# Altium PCB NewBee.PcbDoc (continued)
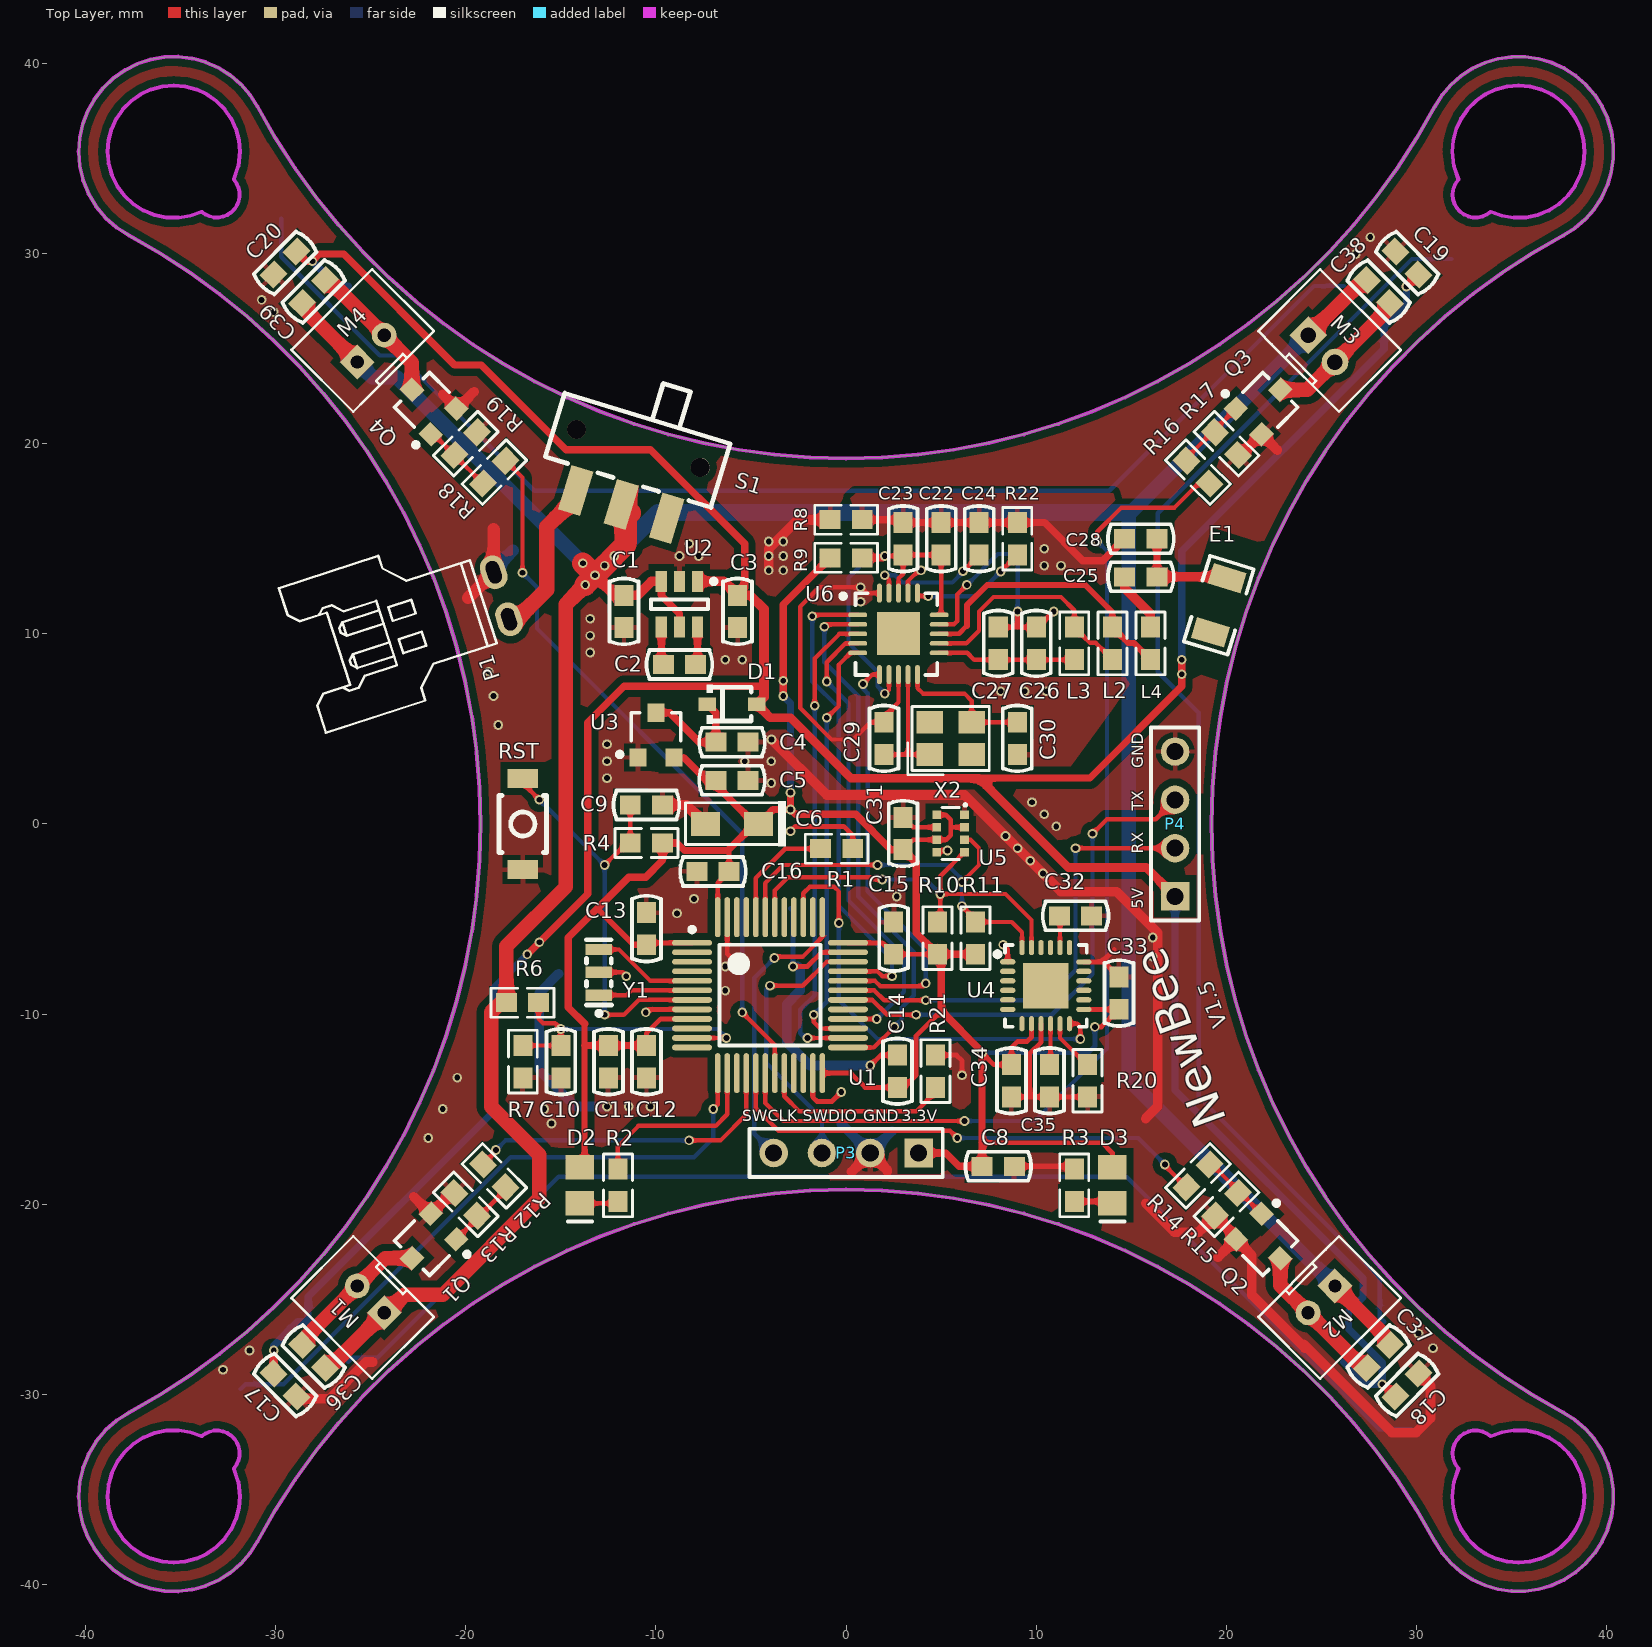
[diagram p0: Top Layer view]
## Footprints (in the part's own frame and the unit in brackets; to place one, negate y for a bottom-side part, rotate by r counter-clockwise, add the part's x,y. Pads: shape width x height; smd on the part's side, far side on the other; paste and mask are expansions set on the pad) (continued)
  silkscreen extent -89,-75 80,66, body extent -63,-49 63,49, height 39

## Part data
C1 C2 C3 C4 C5 C8 C9 C10 C11 C12 C13 C14 C15 C16 C17 C18 C19 C20 C22 C23 C24 C25 C26 C27 C28 C29 C30 C31 C32 C33 C34 C35 C36 C37 C38 C39: library part Cap-S, "贴片瓷片电容"
C6: library part Cap-Pol-A, "钽电容"
D1: library part Diode-Schottky, "肖特基二极管"
D2 D3: "发光二极管"
D4 D5 D6 D7: "WS2812B 4脚RGB全彩LED"
E1: "2.4G Antenna"
L2 L3 L4: "电感"
M1 M2 M3 M4: library part "Header 2", "接插件"
P1 P3 P4: "接插件"
Q1 Q2 Q3 Q4: "N沟道贴片"
R1 R2 R3 R4 R6 R7 R8 R9 R10 R11 R12 R13 R14 R15 R16 R17 R18 R19 R20 R21 R22: library part Res1, "贴片电阻"
RST: "微动开关"
S1: library part SW-SPDT, "开关"
U1: "STM32F103, 48引脚, 64Kb Flash, 20Kb SRAM"
U2: library part PW5410A/B, "5V/3.3V升压芯片"
U3: library part XC6206, "稳压芯片"
U5: library part FBM320, "气压计"
U6: library part nRF24L01
X2: library part XTAL-4PIN
Y1: library part XTAL-3PIN, "贴片晶振"

## Via types
v1: diameter 0.508, hole 0.305, Top Layer to Bottom Layer, tented both sides, 139 vias

## Nets (pads, with @x,y where several pads share a name; then routed paths per layer and width w, separated by ;. In a path a pad name is that pad's centre, name@x,y a point inside that pad or via, vN(x,y) a via of type N, cw(c..) or ccw(c..) an arc to the next point about the centre after c; other vN are vias at no path point)
3.3V: C5.1 C6.1 C8.1 C11.2 C12.2 C13.2 C14.1 C15.2 C16.2 C31.2 C33.2 C34.2 D2.1 D3.1 P3.1 R4.2 R9.2 R10.1 R11.1 U1.1 U1.9 U1.24 U1.36 U1.48 U3.2 U4.8 U4.13 U5.2 U5.6 U5.8 | length 138.8
  Top Layer w0.254: C12.2 -10.5,-11.008 -9.742,-10.25 U1.9 ; C13.2 -10.4,-6.25 U1.1 ; U1.48 -6.75,-3.1 C16.2 -6.15,-1.47 -6.223,-1.397 ; U1.24 0.25,-13.1 1,-13.85 ; U1.36 1.9,-6.25 C15.2 R10.1@4.564,-6.85 ; 1.004,-13.85 3.041,-13.85 3.683,-13.208 3.683,-11.143 5,-9.826 ; C31.2 3.525,-0.825 U5.6 5.271,-0.825 5.5,-0.596 5.5,0.215 5.24,0.475 U5.8 ; 5.515,-0.175 U5.2 ; 7.15,-16.764 13.462,-16.764 14,-17.302 D3.1 ; v1(7.15,-12.027) 7.773,-12.65 ; 7.824,-12.65 C34.2 8.7,-11.747 9.017,-11.43 9.525,-11.43 9.75,-11.205 U4.8 ; U4.13 C33.2@14.341,-9.75 ; v1(13.081,-10.668) 13.423,-10.668 C33.2@14.341,-9.75 ; C33.2 C33.2@14.341,-9.75
  Top Layer w0.305: D2.1 -13.75,-17.8 -13.75,-10.507 ; -13.081,-4.445 -11.176,-6.35 C13.2
  Top Layer w0.381: -13.75,-11.65 C11.2 C12.2 ; -13.75,-10.507 -14.605,-9.652 -14.605,-5.969 -11.43,-2.794 -10.541,-2.794 -9.65,-1.903 R4.2 -8.89,-1 -8.493,-1.397 -6.223,-1.397 C6.1@-4.826,0 ; -8.544,3.499 -7.045,2 C5.1@-6.8,2 ; C5.1 -6.85,2.05 C5.1@-6.8,2 ; v1(-3.302,6.731) v1(-3.302,7.536) -3.302,11.548 R9.2 ; v1(-2.921,1.651) v1(-2.921,0.762) ; C31.2 2.366,-1.35 0.508,0.508 -2.667,0.508 v1(-2.921,0.762) ; C31.2 3.683,-2.032 3.683,-5.733 5,-7.05 5,-9.826 7.15,-11.976 v1(7.15,-12.027) 7.15,-16.764 C8.1 5.935,-18 5.235,-17.3 P3.1 ; R10.1@4.826,-6.85 R11.1 ; C5.1@-6.8,2 -4.8,0 C6.1 -3.841,0.762 v1(-2.921,0.762)
  Bottom Layer w0.254: v1(7.15,-12.027) 12.738,-12.027 13.081,-11.684 v1(13.081,-10.668)
  Bottom Layer w0.381: v1(-3.302,7.536) v1(-3.302,6.731) -2.921,6.35 v1(-2.921,1.651) v1(-2.921,0.762)
5V: C3.2 C17.1 C18.1 C19.1 C20.1 D1.1 D4.1 D5.1 D6.1 D7.1 P4.1 U2.1 | length 197.9
  Top Layer w0.381: C17.1 v1(-30.101,-27.686) ; C20.1 -28.389,29.591 v1(-28.067,29.591) -27.686,29.972 -26.416,29.972 -20.574,24.13 -19.177,24.13 -14.732,19.685 -10.287,19.685 -5.334,14.732 -5.334,12.407 C3.2 ; v1(-16.764,-6.858) v1(-16.129,-6.223) -13.589,-3.683 -13.589,5.334 -11.684,7.239 -4.361,7.239 ; 6.985,2.413 12.827,2.413 17.653,7.239 v1(17.653,7.874) v1(17.653,8.636) ; v1(28.194,-29.464) 28.262,-29.464 C18.1 ; v1@29.396,28.262 v1(29.464,28.262) C19.1
  Top Layer w0.457: D1.1 -3.988,5.588 -2.921,5.588 0.254,2.413 6.985,2.413 11.684,-2.286 15.776,-2.286 P4.1
  Top Layer w0.508: U2.1 -6.446,12.757 C3.2 -5.041,12.026 -4.318,11.303 -4.318,6.682 D1.1
  Bottom Layer w0.381: v1(-30.101,-27.686) -30.101,-27.434 -28.839,-26.172 D4.1 -28.293,-24.864 -18.542,-15.113 -18.542,-8.636 v1(-16.129,-6.223) ; v1(-28.067,29.591) -26.769,28.293 D7.1 ; P4.1 17.3,-13.998 27.178,-23.876 27.178,-24.892 26.416,-25.654 26.416,-26.543 28.194,-28.321 v1(28.194,-29.464) 27.343,-29.464 D5.1 ; v1(17.653,7.874) 17.653,14.351 28.293,24.991 D6.1 29.464,27.343 v1(29.464,28.262)
BOOT0: R1.1 U1.44 | length 6.1
  Top Layer w0.229: U1.44 -4.75,-2.845 -3.205,-1.3 R1.1
GND: C1.1 C3.1 C4.2 C5.2 C6.2 C8.2 C9.2 C10.1 C11.1 C12.1 C13.1 C14.2 C15.1 C16.1 C17.2 C18.2 C19.2 C20.2 C31.1 C32.1 C33.1 C34.1 C35.2 D4.3 D5.3 D6.3 D7.3 P1.2 P3.2 P4.4 Q1.2 Q2.2 Q3.2 Q4.2 R1.2 R3.1 R7.2 R8.2 R13.1 R15.1 R17.1 R19.1 R20.1 R21.2 RST.2 U1.8 U1.23 U1.35 U1.47 U2.2 U3.1 U4.1 U4.9 U4.18 U5.1 U5.5 U5.7 Y1.2 | length 156.8
  Top Layer w0.254: Y1.2 -11.758,-7.8 v1(-11.557,-8.001) ; v1(-10.541,-9.906) -10.385,-9.75 U1.8 ; U1.47 -6.25,-6.831 -5.842,-7.239 ; v1(-2.921,-0.381) -2.667,-0.127 -0.127,-0.127 0.35,-0.604 R1.2 ; v1(-2.794,-7.493) -2.032,-7.493 -1.289,-6.75 U1.35 ; U1.23 -1.75,-14.366 -1.524,-14.592 -0.749,-14.592 v1(-0.254,-14.097) ; v1(1.27,-12.7) 1.82,-12.15 C14.2 ; C31.1 3.525,-0.175 U5.7 ; R21.2 5.8,-12.15 6.096,-12.446 v1(6.096,-13.208) ; U5.5 4.853,-1.397 v1(5.334,-1.397) ; v1(8.255,-6.35) 8.5,-6.595 U4.1 ; C34.1 9.652,-14.35 ; U4.9 10.25,-11.467 9.652,-12.065 9.652,-14.35 ; U4.18 13.443,-7.258 ; R20.1 C35.2 9.652,-14.35 ; 14.097,-6.604 13.443,-7.258 ; C33.1 13.569,-7.258 13.443,-7.258
  Top Layer w0.305: C8.2 11.85,-18 R3.1
  Top Layer w0.508: C17.2 -28.774,-30.226 -27.178,-30.226 -25.245,-28.293 -24.892,-28.293 ; -22.733,-19.605 Q1.2 -20.742,-19.399 R13.1 ; -21.209,22.606 -20.497,21.894 -20.397,21.894 -19.558,22.733 ; C9.2 -8.397,1 C6.2 ; v1(-4.064,13.335) v1(-4.064,14.097) -4.064,14.478 -2.542,16 R8.2 ; v1(-3.921,4.445) -3.937,4.445 -1.016,1.524 6.223,1.524 v1(9.017,-1.27) v1(10.351,-2.603) 11.303,-3.556 14.224,-3.556 16.383,-5.715 16.383,-14.859 15.748,-15.494 ; 0.282,-18.288 P3.2 2.159,-18.189 2.159,-18.288 ; 15.748,-19.939 17.272,-21.463 18.537,-21.463 R15.1 20.497,-21.699 Q2.2 ; 19.558,-22.78 Q2.2 ; R17.1@20.743,19.399 Q3.2 22.667,19.671 ; 24.066,-27.368 24.257,-27.559 ; C18.2 30.734,-29.532 30.734,-31.242 29.972,-32.004 28.702,-32.004 24.257,-27.559 ; Q2.2 21.336,-22.68 21.336,-24.765 24.13,-27.559 24.257,-27.559
  Top Layer w0.635: -19.883,11.882 P1.2 -18.529,15.494 -18.542,15.507
  Bottom Layer w0.254: -2.921,-4.445 -2.794,-4.572 v1(-2.794,-7.493)
  Bottom Layer w0.381: v1(-2.794,-7.493) -2.54,-7.493
  Bottom Layer w0.508: -15.113,-7.874 -16.129,-8.89 -16.129,-12.954 -14.224,-14.859 v1(-12.573,-14.859) ; -2.54,-7.493 -2.413,-7.62 -2.413,-8.763 -3.13,-9.48 -3.13,-11.475 -1.905,-12.7 v1(1.27,-12.7) ; -0.254,-15.776 P3.2 2.413,-16.157
  Bottom Layer w0.635: -19.574,12.192 P1.2 -18.529,13.378 -17.523,14.385
  other v1: -32.766,-28.702 -31.369,-27.686 30.861,-27.559 30.099,-26.797 -21.971,-16.51 -15.494,-15.748 -21.209,-14.986 -15.875,-14.986 -11.43,-14.859 -10.287,-14.859 -20.447,-13.335 -6.35,-8.763 -6.35,-7.493 16.129,-6.985 16.129,-5.969 -8.89,-4.699 -8.001,-3.937 2.667,-3.81 9.684,-1.937 8.382,-0.635 11.049,-0.127 10.414,0.508 9.779,1.143 -3.937,2.159 -12.573,2.413 -12.573,3.302 -5.334,3.302 -3.937,3.302 -12.573,4.191 -18.288,5.207 -18.542,6.731 -18.796,8.001 -6.35,8.636 -5.461,8.636 -13.462,9.017 -13.462,9.906 -13.462,10.795 -3.302,13.335 -8.763,14.097 -7.747,14.097 -3.302,14.097 -8.255,14.732 -4.064,14.859 -3.302,14.859 -30.099,26.924 -30.734,27.559 26.797,29.972 27.559,30.861
INT: U1.39 U4.12 | length 23.9
  Top Layer w0.229: U1.39 -2.25,-3.647 -1.905,-3.302 -0.635,-3.302 -0.381,-3.556 v1(-0.381,-5.207) ; U4.12 12.151,-10.5 12.319,-10.668 v1(12.319,-11.303)
  Bottom Layer w0.229: v1(-0.381,-5.207) -0.381,-9.271 1.651,-11.303 v1(12.319,-11.303)
LED: R2.1 U1.14 | length 9.8
  Top Layer w0.229: R2.1 -12,-16.953 -10.922,-15.875 -6.858,-15.875 -6.25,-15.267 U1.14
MISO: U1.27 U6.5 | length 22.5
  Top Layer w0.229: v1(-1.702,-10.033) -1.702,-10.414 -1.366,-10.75 U1.27 ; v1(-1.016,5.588) -0.381,6.223 -0.381,8.382 0.237,9 U6.5
  Bottom Layer w0.229: v1(-1.702,-10.033) -1.016,-9.347 v1(-1.016,5.588)
MOSI: U1.28 U6.4 | length 24.6
  Top Layer w0.229: v1(-1.016,7.493) -1.016,8.509 -0.025,9.5 U6.4 ; U1.28 v1(1.614,-10.25)
  Bottom Layer w0.229: v1(-1.016,7.493) 0.127,6.35 0.127,-4.025 3.048,-6.946 3.048,-8.816 v1(1.614,-10.25)
NetC2_1: C2.1 U2.6 | length 2
  Top Layer w0.381: C2.1 -7.813,8.482 U2.6
NetC2_2: C2.2 U2.4 | length 2
  Top Layer w0.381: U2.4 -9.713,8.482 C2.2
NetC4_1: C4.1 D1.2 U3.3 | length 6
  Top Layer w0.381: U3.3 -9.278,5.849 -7.729,4.3 C4.1 -6.85,5.849 D1.2
NetC24_1: C24.1 U6.19 | length 6.8
  Top Layer w0.229: v1(2.032,13.081) 2.254,12.859 U6.19 ; v1(6.147,13.297) C24.1
  Bottom Layer w0.229: v1(2.032,13.081) 2.587,13.081 2.968,12.7 5.588,12.7 6.147,13.259 v1(6.147,13.297)
NetC25_1: C25.1 C28.2 E1.1 | length 5.7
  Top Layer w0.381: C25.1 C28.2
  Top Layer w0.508: C25.1 19.961,13 E1.1
NetC25_2: C25.2 L4.2 | length 3.2
  Top Layer w0.508: C25.2 14.65,12.401 16,11.051 L4.2
NetC26_1: C26.1 C27.1 L3.1 U6.11 | length 7.3
  Top Layer w0.229: U6.11 6.367,9 6.731,8.636 11.986,8.636 L3.1
NetC29_2: C29.2 U6.9 X2.1 | length 6.6
  Top Layer w0.229: C29.2 X2.1 X2.1 ; 3.254,3.65 U6.9
NetC30_2: C30.2 U6.10 X2.3 | length 7.4
  Top Layer w0.229: U6.10 3.754,7.144 4.04,6.858 6.223,6.858 6.6,6.481 X2.3 8.999,5.351 C30.2
NetC32_2: C32.2 U4.20 | length 1.7
  Top Layer w0.229: C32.2 11.25,-4.861 U4.20
NetC35_1: C35.1 U4.10 | length 2.2
  Top Layer w0.229: C35.1 10.75,-12.6 U4.10
NetC36_2: C36.2 M1.2 Q1.3 | length 7.8
  Top Layer w0.762: C36.2 -28.601,-27.187 M1.2 -24.245,-22.831 Q1.3
NetC37_2: C37.2 M2.2 Q2.3 | length 7.8
  Top Layer w0.762: Q2.3 22.831,-24.245 M2.2 27.187,-28.601 C37.2
NetC38_2: C38.2 M3.2 Q3.3 | length 7.8
  Top Layer w0.762: Q3.3 24.245,22.831 M3.2 28.601,27.187 C38.2
NetC39_2: C39.2 M4.2 Q4.3 | length 7.6
  Top Layer w0.762: C39.2@-27.187,28.601 M4.2 -22.831,24.245 Q4.3
NetD2_2: D2.2 R2.2 | length 2
  Top Layer w0.229: D2.2 -12.1,-19.95 R2.2
NetD3_2: D3.2 R3.2 | length 2
  Top Layer w0.305: R3.2 13.9,-19.85 D3.2
NetD4_2: D4.2 D5.4 | length 65.4
  Bottom Layer w0.229: D4.2 -25.946,-28.067 -24.638,-28.067 -15.113,-18.542 14.732,-18.542 28.018,-31.828 D5.4
NetD5_2: D5.2 D6.4 | length 68.4
  Bottom Layer w0.229: D5.2 28.067,-25.946 28.067,-23.876 18.542,-14.351 18.542,5.842 16.383,8.001 16.383,16.336 29.755,29.707 D6.4
NetD6_2: D6.2 D7.4 | length 67.4
  Bottom Layer w0.229: D7.4 -29.707,29.825 -24.52,24.638 -23.507,24.638 -16.395,17.526 13.843,17.526 24.61,28.293 D6.2
NetL2_1: L2.1 L4.1 U6.13 | length 14.9
  Top Layer w0.229: U6.13 5.936,10
  Top Layer w0.254: 5.936,10 6.35,10.414
  Top Layer w0.305: 6.35,10.414 6.35,11.5 7.423,12.573 12.577,12.573 12.577,12.569 14,11.146 L2.1 14.825,9.525 15.125,9.525 L4.1
NetL2_2: L2.2 L3.2 U6.12 | length 12.6
  Top Layer w0.229: U6.12 6.325,9.5 6.985,10.16 6.985,11.176 7.747,11.938 11.303,11.938 12,11.241 L3.2 12.825,9.525 13.125,9.525 L2.2
NetP1_1: P1.1 S1.1 | length 8.5
  Top Layer w0.813: P1.1 -17.303,10.764 -15.748,12.319 -15.748,15.621 -14.213,17.156 S1.1
NetQ1_1: Q1.1 R12.2 R13.2 | length 3.8
  Top Layer w0.254: Q1.1 -17.899,-19.243 R12.2
NetQ2_1: Q2.1 R14.2 R15.2 | length 3.8
  Top Layer w0.229: R14.2 19.242,-17.899 Q2.1
NetQ3_1: Q3.1 R16.2 R17.2 | length 3.8
  Top Layer w0.229: R16.2 17.899,19.242 Q3.1
NetQ4_1: Q4.1 R18.2 R19.2 | length 3.8
  Top Layer w0.229: Q4.1 -21.699,20.497 R19.2 R18.2
NetR20_2: R20.2 U4.11 | length 2.8
  Top Layer w0.229: U4.11 11.25,-11.25 12.65,-12.65 R20.2
NetR21_1: R21.1 U1.20 | length 10.1
  Top Layer w0.229: U1.20 -3.25,-14.321 -2.458,-15.113 3.683,-15.113 4.5,-14.296 R21.1@4.5,-13.85
NetR22_2: R22.2 U6.16 | length 6.2
  Top Layer w0.229: U6.16 3.913,11.984 v1(4.318,11.984) ; v1(8.128,13.278) R22.2
  Bottom Layer w0.229: v1(4.318,11.984) 6.834,11.984 v1(8.128,13.278)
NetU1_5: U1.5 Y1.3 | length 5.6
  Top Layer w0.229: Y1.3 -11.941,-6.601 -10.292,-8.25 U1.5
NetU1_6: U1.6 Y1.1 | length 5
  Top Layer w0.229: Y1.1 -11.552,-8.999 -11.303,-8.75 U1.6
PWM1: R12.1 U1.16 | length 17.2
  Top Layer w0.229: R12.1 -18.415,-17.213 v1(-18.415,-17.145) ; v1(-8.255,-16.637) -6.604,-16.637 -5.25,-15.283 U1.16
  Bottom Layer w0.229: v1(-18.415,-17.145) -17.907,-16.637 v1(-8.255,-16.637)
PWM2: R14.1 U1.17 | length 26.2
  Top Layer w0.229: U1.17 -4.75,-14.935 -3.556,-16.129 5.461,-16.129 v1(5.842,-16.51) ; v1(16.764,-17.907) 16.764,-17.966 R14.1
  Bottom Layer w0.229: v1(5.842,-16.51) 15.367,-16.51 v1(16.764,-17.907)
PWM3: R16.1 U1.18 | length 55.8
  Top Layer w0.229: U1.18 -4.25,-14.673 -3.302,-15.621 v1(6.223,-15.621) ; v1(13.208,14.859) 13.208,15.367 14.478,16.637 17.272,16.637 18.534,17.899 R16.1
  Bottom Layer w0.229: v1(6.223,-15.621) 9.906,-15.621 13.716,-11.811 13.716,14.351 v1(13.208,14.859)
PWM4: R18.1 U1.19 | length 38.1
  Top Layer w0.229: R18.1 -17.018,18.22 v1(-17.018,13.208) ; v1(-5.461,-9.906) -3.75,-11.617 U1.19
  Bottom Layer w0.229: v1(-17.018,13.208) -16.256,12.446 -16.256,10.287 -5.461,-0.508 v1(-5.461,-9.906)
RESET: C9.1 R4.1 RST.1 U1.7 | length 22.9
  Top Layer w0.229: RST.1 -17,2.141 v1(-16.129,1.27) ; v1(-12.7,-10.033) -11.684,-10.033 -10.901,-9.25 U1.7 ; v1(-12.7,-2.159) -11.35,-0.809 C9.1
  Bottom Layer w0.229: v1(-16.129,1.27) v1(-12.7,-2.159) v1(-12.7,-10.033)
RF_3.3V: C22.2 C23.2 R9.1 U6.7 U6.15 U6.18 | length 20
  Top Layer w0.229: v1(2.032,14.097) 2.947,14.097 C23.2 3,13.16 2.754,12.914 U6.18 ; v1@2.064,6.858 2.254,7.048 U6.7 ; U6.15 5,11.103 C22.2
  Top Layer w0.254: C23.2@3.122,14.15 C22.2
  Top Layer w0.305: C23.2@2.702,14.15 C23.2
  Top Layer w0.381: R9.1 1.935,14 v1(2.032,14.097)
  Bottom Layer w0.229: v1(2.032,6.858) 1.651,7.239 1.651,8.001 0.127,9.525 0.127,12.954 1.27,14.097 v1(2.032,14.097)
RF_CE: U1.33 U6.1 | length 25.5
  Top Layer w0.229: v1(-1.778,10.922) -1.7,11 U6.1 ; U1.33 1.654,-7.75 1.907,-8.003 v1(2.411,-8.003)
  Bottom Layer w0.229: v1(-1.778,10.922) -1.778,7.496 -0.381,6.099 -0.381,-4.318 2.411,-7.11 v1(2.411,-8.003)
RF_CSN: U1.25 U6.2 | length 28.1
  Top Layer w0.229: v1(-1.143,10.373) -1.016,10.5 U6.2 ; U1.25 1.458,-11.75 v1(2.54,-10.668)
  Bottom Layer w0.229: v1(-1.143,10.373) -1.143,8.509 0.635,6.731 0.635,-3.81 3.556,-6.731 3.556,-9.017 2.921,-9.652 2.921,-10.287 v1(2.54,-10.668)
RF_GND: C22.1 C23.1 C24.2 C26.2 C27.2 C28.1 C29.1 C30.1 R8.1 R22.1 U6.8 U6.14 U6.17 U6.20 | length 47.8
  Top Layer w0.229: U6.20 1.065,12.143 v1(0.762,12.446) -1.397,12.446 -2.413,11.43 -2.413,6.096 -0.762,4.445 0.381,4.445 1.286,5.35 C29.1 ; C29.1@2.159,5.803 2.754,6.398 U6.8 ; U6.17 3.254,12.779 3.81,13.335 v1(3.937,13.335) ; U6.14 5.674,10.5 5.842,10.668 5.842,12.065 v1(6.35,12.573)
  Top Layer w0.254: C27.2 9.017,10.35 ; v1(9.017,11.176) 9.017,10.35 ; C26.2 9.017,10.35 ; C26.2@10.096,10.35 v1(10.922,11.176)
  Top Layer w0.381: R8.1 2.85,16 C23.1 C22.1 C24.2 R22.1 10.439,15.85 12.446,13.843 13.493,13.843 C28.1
  Bottom Layer w0.229: v1(6.35,12.573) 7.977,14.2 8.66,14.2 9.017,13.843 v1(9.017,11.176)
  other v1: 8.128,6.985 9.398,6.985 10.541,6.985 0.762,11.684 10.414,13.589 11.303,13.589 10.414,14.478
RF_IRQ: U1.32 U6.6 | length 22.4
  Top Layer w0.229: U1.32 1.519,-8.25 1.792,-8.523 4.05,-8.523 v1(4.191,-8.382) ; v1(0.889,7.366) 1.38,7.857 U6.6
  Bottom Layer w0.229: v1(0.889,7.366) 0.889,7.112 1.13,6.871 1.13,-3.543 4.191,-6.604 v1(4.191,-8.382)
RGB: D4.4 U1.13 | length 33.8
  Top Layer w0.229: v1(-6.985,-14.986) -6.75,-14.751 U1.13
  Bottom Layer w0.229: D4.4 -31.585,-29.464 -29.582,-29.464 -17.644,-17.526 -8.001,-17.526 -6.985,-16.51 v1(-6.985,-14.986)
RX1: P4.2 U1.31 | length 24.5
  Top Layer w0.229: U1.31 1.48,-8.75 2.001,-9.271 v1(4.191,-9.271) ; v1(12.065,-1.27) P4.2
  Bottom Layer w0.229: v1(4.191,-9.271) 10.487,-9.271 12.065,-7.693 v1(12.065,-1.27)
SCK: U1.26 U6.3 | length 25.4
  Top Layer w0.229: v1(-2.032,-11.25) U1.26 ; v1(-1.651,6.223) -1.651,8.7 -0.353,9.998 -0.353,10 U6.3
  Bottom Layer w0.229: v1(-2.032,-11.25) -2.159,-11.25 -2.407,-11.002 -2.407,-9.773 -1.651,-9.017 v1(-1.651,6.223)
SCL: R10.2 U1.42 U4.23 U5.4 | length 21.8
  Top Layer w0.229: U1.42 -3.75,-3.496 -3.048,-2.794 1.27,-2.794 1.397,-2.921 v1(1.905,-2.921) ; R10.2 4.8,-5.119 4.953,-4.966 v1(4.953,-3.683) ; U5.4 4.953,-2.747 v1(4.953,-3.683) ; U4.23 9.75,-5.051 8.382,-3.683 v1(4.953,-3.683)
  Bottom Layer w0.229: v1(1.905,-2.921) 4.191,-2.921 v1(4.953,-3.683)
SDA: R11.2 U1.43 U4.24 U5.3 | length 21.9
  Top Layer w0.229: U1.43 -4.25,-3.107 -3.302,-2.159 v1(1.651,-2.159) ; v1(6.096,-4.318) 6.928,-5.15 8.706,-5.15 9.25,-5.694 U4.24 ; v1(6.096,-3.048) 6.985,-2.159 6.985,-1.27 6.54,-0.825 U5.3
  Bottom Layer w0.229: v1(1.651,-2.159) 5.334,-2.159 6.096,-2.921 v1(6.096,-3.048) v1(6.096,-4.318)
SWCLK: P3.4 U1.37 | length 15.1
  Top Layer w0.229: v1(-3.773,-7.043) -3.702,-6.972 -2.273,-6.972 -1.25,-5.949 U1.37
  Bottom Layer w0.229: P3.4 -4.826,-16.284 -4.826,-8.096 v1(-3.773,-7.043)
SWDIO: P3.3 U1.34 | length 14.7
  Top Layer w0.229: v1(-4,-8.5) -2.277,-8.5 -1.027,-7.25 U1.34
  Bottom Layer w0.229: v1(-4,-8.5) -4.191,-8.691 -4.191,-12.573 -1.27,-15.494 P3.3
TX1: P4.3 U1.30 | length 26.5
  Top Layer w0.229: U1.30 1.376,-9.25 2.159,-10.033 v1(3.683,-10.033) ; v1(12.954,-0.508) 13.716,0.254 16.284,0.254 P4.3
  Bottom Layer w0.229: v1(3.683,-10.033) 10.817,-10.033 12.954,-7.896 v1(12.954,-0.508)
VBAT: C1.2 C36.1 C37.1 C38.1 C39.1 M1.1 M2.1 M3.1 M4.1 R6.1 S1.2 U2.3 U2.5 | length 181.2
  Top Layer w0.381: U2.3 -9.713,12.007 -8.763,11.057 U2.5
  Top Layer w0.508: v1(-13.208,13.081) C1.2@-12.153,12.026 ; C1.2@-11.772,11.987 C1.2@-11.684,11.987 ; C1.2 -10.961,12.026 -10.23,12.757 U2.3
  Top Layer w0.762: C39.1@-28.601,27.187 M4.1 ; C36.1 -27.187,-28.601 M1.1 -24.183,-25.707 -23.241,-24.765 -21.209,-24.765 -16.129,-19.685 -16.129,-17.399 -18.669,-14.859 -18.669,-9.906 -18.161,-9.398 R6.1 -17.868,-6.438 -14.732,-3.302 -14.732,11.557 v1(-13.716,12.573) ; M3.1 27.187,28.601 C38.1 ; M2.1 28.601,-27.187 C37.1
  Top Layer w1.143: v1(-13.843,13.716) v1(-13.208,13.081) ; v1(-13.716,12.573) v1(-13.208,13.081) ; S1.2@-11.364,16.36 -11.59,16.133 -11.59,14.699 v1(-12.192,14.097) v1(-12.7,13.589) v1(-13.208,13.081)
  Bottom Layer w0.762: M4.1 -24.909,23.495 -23.622,23.495 v1(-13.843,13.716) v1(-13.208,13.081) ; 14.859,16.383 14.859,-13.445 M2.1 ; 14.969,16.383 M3.1
  Bottom Layer w0.889: v1(-12.192,14.097) -9.906,16.383 14.859,16.383
  Bottom Layer w1.143: v1(-13.716,12.573) v1(-13.208,13.081) v1(-12.7,13.589) v1(-12.192,14.097)
VBAT_T: C10.2 R6.2 R7.1 U1.11 | length 16
  Top Layer w0.229: R7.1 C10.2 v1(-15,-10.781) -15.308,-10.473 -15.943,-10.473 -16.168,-10.248 R6.2 R6.2@-16,-9.566 ; U1.11 v1(-6.297,-11.25)
  Bottom Layer w0.229: v1(-15,-10.781) -6.766,-10.781 v1(-6.297,-11.25)
pads on no net: D7.2 E1.0 S1. S1.3 U1.2 U1.3 U1.4 U1.10 U1.12 U1.15 U1.21 U1.22 U1.29 U1.38 U1.40 U1.41 U1.45 U1.46 U4.2 U4.3 U4.4 U4.5 U4.6 U4.7 U4.14 U4.15 U4.16 U4.17 U4.19 U4.21 U4.22 U4.25 U6.0 X2.2 X2.4

## Polygon pours and split planes (outlines as drawn)
GND on Top Layer "Top Layer-No Net" (solid, remove dead copper, pour order 6): -17.145,-26.416 -14.478,-23.749 7.747,-23.749 12.7,-23.749 30.607,-41.656 32.131,-43.18 42.164,-43.18 43.942,-41.402 43.942,-33.147 43.942,-32.639 37.465,-26.162 24.257,-12.954 22.281,6.633 16.998,8.403 19.223,15.595 24.58,13.912 44.45,33.782 44.958,34.29 44.958,42.418 42.926,44.45 42.037,44.45 32.766,44.45 31.242,42.926 16.256,27.94 16.256,27.559 13.335,24.638 2.54,24.638 -11.938,24.638 -13.589,26.289 -30.734,43.434 -31.496,43.434 -39.624,43.434 -40.132,42.926 -43.307,39.751 -43.307,32.512 -43.307,29.718 -24.765,11.176 -24.765,-11.303 -38.862,-25.4 -43.434,-29.972 -43.434,-39.624 -39.37,-43.688 -39.37,-44.069 -31.115,-44.069 -30.48,-44.704
RF_GND on Top Layer "Top Layer-No Net" (solid, remove dead copper, pour order 4): 0.508,17.399 14.224,17.399 15.958,16.247 15.981,8.883 13.97,5.969 11.8,3.048 0.357,3.048 -1.929,5.334 -1.929,15.24
GND on Bottom Layer "Top Layer-No Net" (solid, remove dead copper, pour order 8): -17.145,-26.416 -14.478,-23.749 7.747,-23.749 12.7,-23.749 30.607,-41.656 32.131,-43.18 42.164,-43.18 43.942,-41.402 43.942,-33.147 43.942,-32.639 37.465,-26.162 24.257,-12.954 22.281,6.633 16.998,8.403 19.223,15.595 24.58,13.912 44.45,33.782 44.958,34.29 44.958,42.418 42.926,44.45 42.037,44.45 32.766,44.45 31.242,42.926 16.256,27.94 16.256,27.559 13.335,24.638 2.54,24.638 -11.938,24.638 -13.589,26.289 -30.734,43.434 -31.496,43.434 -39.624,43.434 -40.132,42.926 -43.307,39.751 -43.307,32.512 -43.307,29.718 -24.765,11.176 -24.765,-11.303 -38.862,-25.4 -43.434,-29.972 -43.434,-39.624 -39.37,-43.688 -39.37,-44.069 -31.115,-44.069 -30.48,-44.704
RF_GND on Bottom Layer "Top Layer-No Net" (solid, remove dead copper, pour order 2): 1.651,17.653 15.981,17.653 15.981,8.883 13.742,5.655 11.8,3.048 0.381,3.048 -1.905,5.334 -1.905,15.24 0.508,17.653

## Keep-outs
Keep-Out Layer:
  lines w0.203: -40.355,-35.355 -40.301,-36.088 -40.14,-36.805 -39.876,-37.491 -39.514,-38.131 -39.062,-38.711 -38.53,-39.218 -37.93,-39.642 -37.274,-39.973 -36.576,-40.204 -35.852,-40.331 -35.118,-40.35 -34.388,-40.261 -33.679,-40.066 -33.007,-39.769 -32.385,-39.377 -31.828,-38.899 -31.346,-38.343 -30.952,-37.723 -30.01,-36.081 -28.982,-34.491 -27.87,-32.959 -26.677,-31.49 -25.407,-30.086 -24.062,-28.754 -22.648,-27.495 -21.169,-26.314 -19.628,-25.215 -18.029,-24.201 -16.379,-23.274 -14.681,-22.437 -12.941,-21.692 -11.162,-21.043 -9.352,-20.49 -7.514,-20.036 -5.655,-19.681 -3.779,-19.427 -1.892,-19.274 0,-19.223 1.892,-19.274 3.779,-19.427 5.655,-19.681 7.514,-20.036 9.352,-20.49 11.162,-21.043 12.941,-21.692 14.681,-22.437 16.379,-23.274 18.029,-24.201 19.628,-25.215 21.169,-26.314 22.648,-27.495 24.063,-28.754 25.407,-30.086 26.677,-31.49 27.87,-32.959 28.982,-34.491 30.011,-36.081 30.952,-37.723 31.335,-38.328 31.801,-38.871 32.339,-39.343 32.939,-39.733 33.589,-40.033 34.275,-40.237 34.984,-40.342 35.7,-40.343 36.408,-40.243 37.096,-40.043 37.747,-39.746 38.35,-39.36 38.891,-38.891 39.36,-38.35 39.746,-37.747 40.043,-37.096 40.243,-36.408 40.344,-35.7 40.342,-34.984 40.237,-34.275 40.033,-33.589 39.733,-32.939 39.343,-32.339 38.871,-31.801 38.328,-31.335 37.723,-30.952 36.081,-30.011 34.491,-28.982 32.959,-27.87 31.49,-26.677 30.086,-25.407 28.754,-24.063 27.495,-22.648 26.314,-21.169 25.215,-19.628 24.201,-18.029 23.274,-16.379 22.437,-14.681 21.692,-12.941 21.043,-11.162 20.49,-9.352 20.036,-7.514 19.681,-5.655 19.427,-3.779 19.274,-1.892 19.223,0 19.274,1.892 19.427,3.779 19.681,5.655 20.036,7.514 20.49,9.352 21.043,11.162 21.692,12.941 22.437,14.681 23.274,16.379 24.201,18.029 25.215,19.628 26.314,21.169 27.495,22.648 28.754,24.062 30.086,25.407 31.49,26.677 32.959,27.87 34.491,28.982 36.081,30.01 37.723,30.952 38.328,31.335 38.871,31.8 39.343,32.339 39.733,32.939 40.033,33.589 40.237,34.276 40.342,34.984 40.344,35.7 40.243,36.408 40.043,37.096 39.746,37.747 39.36,38.35 38.891,38.891 38.35,39.36 37.747,39.746 37.096,40.043 36.408,40.243 35.7,40.343 34.984,40.341 34.275,40.237 33.589,40.033 32.939,39.733 32.339,39.343 31.801,38.871 31.335,38.328 30.952,37.723 30.011,36.081 28.982,34.491 27.87,32.959 26.677,31.49 25.407,30.086 24.063,28.754 22.648,27.495 21.169,26.314 19.628,25.215 18.029,24.201 16.379,23.274 14.681,22.437 12.941,21.692 11.162,21.043 9.352,20.49 7.514,20.036 5.655,19.681 3.779,19.427 1.892,19.274 0,19.223 -1.892,19.274 -3.779,19.427 -5.655,19.681 -7.514,20.036 -9.352,20.49 -11.162,21.043 -12.941,21.692 -14.681,22.437 -16.379,23.274 -18.029,24.201 -19.628,25.215 -21.169,26.314 -22.648,27.495 -24.062,28.754 -25.407,30.086 -26.677,31.49 -27.87,32.959 -28.982,34.491 -30.01,36.081 -30.952,37.723 -31.346,38.343 -31.828,38.899 -32.385,39.377 -33.007,39.769 -33.679,40.066 -34.388,40.261 -35.118,40.35 -35.852,40.331 -36.576,40.204 -37.274,39.973 -37.93,39.642 -38.53,39.218 -39.062,38.711 -39.514,38.131 -39.876,37.491 -40.14,36.805 -40.301,36.088 -40.355,35.355 -40.296,34.589 -40.12,33.84 -39.832,33.128 -39.437,32.468 -38.946,31.876 -38.37,31.367 -37.723,30.952 -36.081,30.01 -34.491,28.982 -32.959,27.87 -31.49,26.677 -30.086,25.407 -28.754,24.062 -27.495,22.648 -26.314,21.169 -25.215,19.628 -24.201,18.029 -23.274,16.379 -22.437,14.681 -21.692,12.941 -21.043,11.162 -20.49,9.352 -20.036,7.514 -19.681,5.655 -19.427,3.779 -19.274,1.892 -19.223,0 -19.274,-1.892 -19.427,-3.779 -19.681,-5.655 -20.036,-7.514 -20.49,-9.352 -21.043,-11.162 -21.692,-12.941 -22.437,-14.681 -23.274,-16.379 -24.201,-18.029 -25.215,-19.628 -26.314,-21.169 -27.495,-22.648 -28.754,-24.063 -30.086,-25.407 -31.49,-26.677 -32.959,-27.87 -34.491,-28.982 -36.081,-30.011 -37.723,-30.952 -38.37,-31.367 -38.946,-31.876 -39.437,-32.468 -39.832,-33.128 -40.12,-33.84 -40.296,-34.589 -40.355,-35.355 ; -38.835,-35.355 -38.782,-35.96 -38.625,-36.546 -38.369,-37.095 -38.021,-37.592 -37.592,-38.021 -37.095,-38.369 -36.546,-38.625 -35.96,-38.782 -35.355,-38.835 -34.751,-38.782 -34.165,-38.625 -33.615,-38.369 -33.118,-38.021 -32.689,-37.592 -32.342,-37.095 -32.085,-36.546 -31.928,-35.96 -31.875,-35.355 -31.957,-34.606 -32.198,-33.892 -32.056,-33.697 -31.956,-33.476 -31.902,-33.24 -31.896,-32.998 -31.939,-32.76 -32.03,-32.536 -32.163,-32.334 -32.334,-32.163 -32.536,-32.03 -32.76,-31.939 -32.998,-31.896 -33.24,-31.902 -33.476,-31.956 -33.696,-32.056 -33.892,-32.198 -34.489,-31.985 -35.114,-31.884 -35.747,-31.897 -36.367,-32.026 -36.954,-32.264 -37.488,-32.605 -37.951,-33.037 -38.328,-33.546 -38.607,-34.115 -38.778,-34.725 -38.835,-35.355 ; -38.835,35.355 -38.782,35.96 -38.625,36.546 -38.369,37.095 -38.021,37.592 -37.592,38.021 -37.095,38.369 -36.546,38.625 -35.96,38.782 -35.355,38.835 -34.751,38.782 -34.165,38.625 -33.615,38.369 -33.118,38.021 -32.689,37.592 -32.342,37.095 -32.085,36.546 -31.928,35.96 -31.875,35.355 -31.957,34.606 -32.198,33.892 -32.056,33.696 -31.956,33.476 -31.902,33.24 -31.896,32.998 -31.939,32.76 -32.03,32.536 -32.163,32.334 -32.334,32.163 -32.536,32.03 -32.76,31.939 -32.998,31.896 -33.24,31.902 -33.476,31.956 -33.696,32.056 -33.892,32.198 -34.489,31.985 -35.114,31.884 -35.747,31.897 -36.367,32.026 -36.954,32.264 -37.488,32.605 -37.951,33.037 -38.328,33.546 -38.607,34.115 -38.778,34.725 -38.835,35.355 ; 31.875,-35.355 31.928,-35.96 32.085,-36.546 32.342,-37.095 32.69,-37.592 33.118,-38.021 33.615,-38.369 34.165,-38.625 34.751,-38.782 35.355,-38.835 35.96,-38.782 36.546,-38.625 37.095,-38.369 37.592,-38.021 38.021,-37.592 38.369,-37.095 38.625,-36.546 38.782,-35.96 38.835,-35.355 38.778,-34.725 38.607,-34.115 38.328,-33.546 37.951,-33.037 37.488,-32.605 36.954,-32.264 36.367,-32.026 35.747,-31.897 35.114,-31.884 34.489,-31.985 33.892,-32.198 33.689,-32.051 33.46,-31.95 33.215,-31.899 32.964,-31.899 32.719,-31.952 32.491,-32.054 32.288,-32.202 32.121,-32.388 31.996,-32.605 31.919,-32.843 31.893,-33.093 31.928,-33.381 32.032,-33.653 32.198,-33.892 31.957,-34.606 31.875,-35.355 ; 31.875,35.355 31.928,35.96 32.085,36.546 32.342,37.095 32.69,37.592 33.118,38.021 33.615,38.369 34.165,38.625 34.751,38.782 35.355,38.835 35.96,38.782 36.546,38.625 37.095,38.369 37.592,38.021 38.021,37.592 38.369,37.095 38.625,36.546 38.782,35.96 38.835,35.355 38.778,34.725 38.607,34.115 38.328,33.546 37.951,33.037 37.488,32.605 36.954,32.264 36.367,32.026 35.747,31.897 35.114,31.884 34.489,31.985 33.892,32.198 33.689,32.051 33.46,31.95 33.215,31.899 32.964,31.899 32.719,31.952 32.491,32.054 32.288,32.202 32.121,32.388 31.996,32.605 31.919,32.844 31.893,33.093 31.928,33.381 32.032,33.653 32.198,33.892 31.957,34.606 31.875,35.355

## Silkscreen, mask and mechanical layers (free items; w line width, h text height)
Top Overlay:
  text "GND" at 15.628,2.933 h0.6 r90
  text "TX" at 15.628,0.7 h0.6 r90
  text "RX" at 15.628,-1.565 h0.6 r90
  text "5V" at 15.621,-4.445 h0.6 r90
  text "V1.5" at 20.066,-10.541 h0.8 r110
  text "NewBee" at 20.574,-15.367 h3 r110
  text "SWCLK" at -5.461,-15.621 h0.6
  text "SWDIO" at -2.286,-15.621 h0.6
  text "GND" at 0.889,-15.621 h0.6
  text "3.3V" at 2.921,-15.621 h0.6